# Allegro board BeagleBone AI -64_PCB_V1.02_211119.brd (continued)
## Routing (per net, layer and track width the routed paths; a pad name or vN(x,y) marks a point on that pad's centre or on a via; arc(x,y) is an arc through that point) (continued)
  TOP w0.165: U24.2 17.27,67.62 17.23,67.58 R316.2
N34747984: length 6.4
  TOP w0.165: U32.10 42.59,68.18 v1(42.55,68.23) ; v1(45.64,71.84) R357.1
  BOTTOM w0.165: v1(45.64,71.84) 44.3,70.51 42.98,70.51 42.55,70.08 v1(42.55,68.23)
N35300913: length 1.1
  TOP w0.165: R172.1 -33.78,42.85 -33.76,42.83 U14.5
N35690331: length 1.6
  TOP w0.165: J15.18 7.19,69.28 7.07,69.17 R300.2
N36080869: length 1.4
  BOTTOM w0.165: U2.8 29.38,55.98 29.67,55.69 R36.2
N37161279: length 1.5
  TOP w0.165: R306.2 48.05,5.53 47.99,5.58 U21.3
N37161524: length 1.9
  TOP w0.165: 49.75,5.03 49.71,5.08 v1(49.66,5.08) 48.79,5.95 U21.5
N37181608: length 15
  TOP w0.165: U34.1 42.13,11.98 42.48,12.32 49.05,12.32 49.59,11.79 49.59,10.59 50.88,9.3 R381.2 50.26,7.99 49.88,8.37 49.45,8.37 49.19,8.11 U21.9

## Copper pours and planes (outline as drawn; the poured copper is in the pictures)
2V5/3V3 on TOP: 10.42,25.55 12.15,25.55 12.22,25.48 12.22,24.33 12.38,24.18 13.54,24.18 13.75,23.98 13.75,23.19 13.49,22.94 11.64,22.94 10.39,24.18 10.39,25 10.45,25.05 10.98,25.05 11,25.07 11,25.33 10.98,25.35 10.42,25.35 10.37,25.4 10.37,25.5
GND on L3-SIGNAL (solid shape): -45.05,49.82 -45.05,48.72 -45.78,48 -45.84,48.02 -45.84,49.13 -45.12,49.85
GND on L3-SIGNAL (solid shape): -34.9,66.7 -34.96,66.66 -34.98,66.64 -42.63,58.99 -42.69,58.89 -42.72,58.78 -42.72,57.96 -44.02,56.66 -44.05,56.63 -44.14,56.66 -44.14,57.63 -35,66.78 -34.9,66.78
GND on L3-SIGNAL (solid shape): 22.31,68.05 22.28,67.98 21.77,67.98 21.45,68.31 21.33,68.39 21.19,68.41 21.09,68.41 21.03,68.56 21.05,68.59 21.12,68.69 21.14,68.81 21.14,68.86 21.5,68.86
GND on L3-SIGNAL (solid shape): 33.6,51.74 33.68,51.69 33.78,51.67 33.83,51.66 33.83,50.1 33.85,49.97 33.93,49.85 35.13,48.65 35.13,42.69 35.02,42.58 34.97,42.64 34.98,42.71 34.98,42.75 34.98,48.39 34.96,48.52 34.88,48.64 33.43,50.09 33.43,51.7 33.58,51.76
GND on L3-SIGNAL (solid shape): 18.57,45.55 18.63,45.56 18.7,45.53 18.79,45.52 18.87,45.53 19.06,45.33 19.06,45.05 19.08,44.99 19.11,44.93 19.51,44.53 19.51,44.46 19.46,44.41 19.44,44.41 19.38,44.4 19.33,44.36 19.28,44.32 19.19,44.33 19.16,44.33 19.1,44.31 19,44.4 19,44.62 18.99,44.69 18.95,44.74 18.57,45.13 18.57,45.43 18.56,45.46 18.55,45.49
GND on L3-SIGNAL (solid shape): -44.05,49.26 -44.02,49.24 -43.07,48.29 -43.07,48.19 -43.67,47.59 -43.74,47.49 -43.76,47.37 -43.76,46.81 -43.74,46.69 -43.67,46.59 -43.4,46.32 -43.53,46.19 -43.67,46.23 -43.68,46.26 -43.95,46.68 -44.42,46.84 -44.64,46.81 -44.84,46.71 -44.87,46.69 -45,46.76 -45,47.47 -44.23,48.25 -44.16,48.35 -44.14,48.47 -44.14,49.23
GND on L3-SIGNAL (solid shape): -42.93,54.55 -42.9,54.52 -42.63,54.25 -42.9,53.98 -42.97,53.88 -42.99,53.76 -42.99,53.3 -42.97,53.18 -42.9,53.09 -42.63,52.81 -42.9,52.54 -42.97,52.44 -42.99,52.33 -42.99,51.7 -42.97,51.58 -42.9,51.48 -42.63,51.21 -42.9,50.94 -42.97,50.84 -42.99,50.72 -42.99,50.1 -42.97,49.99 -42.9,49.89 -42.45,49.44 -42.45,49.32 -42.5,49.27 -42.54,49.2 -42.67,49.18 -43.19,49.71 -43.19,54.23 -43.14,54.29 -43.07,54.39 -43.05,54.51 -43.05,54.61 -42.97,54.61
GND on L3-SIGNAL (solid shape): -37.34,45.83 -37.29,45.81 -37.23,45.81 -37.15,45.82 -37.05,45.74 -37.05,43.66 -37.03,43.55 -36.96,43.45 -36.34,42.83 -36.24,42.76 -36.13,42.74 -35.74,42.74 -35.74,42.35 -35.72,42.24 -35.65,42.14 -34.98,41.47 -34.88,41.4 -34.77,41.38 -34.34,41.38 -34.26,41.3 -34.26,41.28 -34.24,41.16 -34.18,41.06 -34.16,41.04 -34.23,40.9 -34.62,40.9 -37.63,43.91 -37.26,44.28 -37.19,44.38 -37.17,44.5 -37.17,44.9 -37.19,45.02 -37.26,45.11 -37.57,45.43 -37.61,45.46 -37.62,45.58 -37.45,45.75 -37.42,45.78 -37.4,45.81
GND on L3-SIGNAL (solid shape): 13.15,62.28 13.15,61.93 13.11,61.89 12.98,61.91 12.97,61.93 12.85,62.04 12.69,62.09 12.45,61.99 12.35,61.76 12.41,61.57 12.56,61.45 12.57,61.44 12.62,61.4 12.56,61.34 11.87,61.34 11.79,61.46 11.8,61.48 11.81,61.54 11.82,61.6 11.72,61.83 11.49,61.93 11.44,61.92 11.35,62.02 11.36,62.13 11.35,62.19 11.43,62.29 12.81,62.29 12.91,62.3 13,62.34 13.02,62.35
GND on L3-SIGNAL (solid shape): 4.13,48.76 4.17,48.63 4.24,48.52 4.32,48.44 4.31,48.31 4.29,48.3 4.24,48.26 4.2,48.21 4.19,48.19 4.06,48.18 3.98,48.26 3.86,48.34 3.71,48.37 3.46,48.27 3.33,48.03 3.33,48.01 3.22,47.94 3.13,47.96 3.08,47.97 2.89,47.97 2.6,48.26 2.48,48.34 2.34,48.37 2.3,48.41 2.32,48.46 2.35,48.49 2.38,48.51 2.46,48.59 2.59,48.58 2.6,48.56 2.74,48.44 2.91,48.4 3.15,48.4 3.29,48.43 3.42,48.51 3.7,48.8 4.13,48.8
GND on L3-SIGNAL (solid shape): -13.4,47.27 -13.41,47.2 -13.31,46.96 -13.07,46.87 -13.01,46.87 -12.92,46.79 -12.92,46.69 -12.98,46.69 -13.04,46.71 -13.09,46.71 -13.33,46.62 -13.42,46.39 -13.42,46.36 -13.55,46.28 -13.57,46.3 -13.65,46.32 -13.73,46.33 -15.16,46.33 -15.16,46.38 -15.49,46.71 -15.82,46.38 -15.82,46.33 -15.94,46.33 -15.94,46.38 -15.97,46.52 -16.04,46.64 -16.46,47.05 -16.57,47.13 -16.71,47.15 -16.76,47.15 -16.77,47.24 -16.78,47.29 -16.7,47.4 -13.53,47.4
GND on L3-SIGNAL (solid shape): 7.65,57.9 7.76,57.86 7.87,57.85 8.85,57.85 8.9,57.69 8.85,57.64 8.59,57.39 8.55,57.34 8.52,57.28 8.46,57.25 8.43,57.25 8.4,57.25 8.16,57.16 8.06,56.92 8.07,56.88 8.08,56.82 8,56.72 5.72,56.72 5.64,56.79 5.64,56.81 5.54,57.03 5.31,57.12 5.08,57.02 4.98,56.79 4.98,56.72 4.84,56.72 4.84,56.79 4.76,57 4.57,57.11 4.54,57.12 4.49,57.26 4.56,57.33 5.1,57.33 5.25,57.24 5.42,57.21 5.61,57.25 5.77,57.36 6.31,57.9
GND on L3-SIGNAL (solid shape): 9.08,68.81 9.2,68.73 9.34,68.7 13.28,68.7 14.47,67.51 14.58,67.43 14.72,67.4 16.82,67.4 16.9,67.29 16.89,67.26 16.88,67.21 16.87,67.15 16.87,67.12 16.79,67.04 13.01,67.04 11.82,68.23 11.7,68.31 11.56,68.34 8.06,68.34 7.99,68.48 8.01,68.5 8.07,68.6 8.08,68.71 7.75,69.04 7.42,68.71 7.44,68.6 7.49,68.5 7.51,68.48 7.45,68.34 5.63,68.34 5.56,68.48 5.58,68.5 5.63,68.6 5.65,68.71 5.56,68.94 5.32,69.04 5.26,69.03 5.2,69.02 5.17,69 5.05,69.09 5.05,69.24 5.14,69.33 8.55,69.33
GND on L3-SIGNAL (solid shape): 20.17,45.55 20.23,45.56 20.3,45.53 20.39,45.52 20.47,45.53 20.71,45.29 20.76,45.25 20.82,45.24 21.03,45.24 21.29,44.98 21.29,44.31 21.26,44.29 21.13,44.17 21.08,44 21.12,43.83 21.24,43.71 21.24,43.04 20.47,42.26 20.39,42.27 20.29,42.26 20.21,42.22 20.15,42.23 20.14,42.28 20.14,42.31 20.14,42.34 20.14,42.8 20.4,43.06 20.44,43.11 20.45,43.18 20.45,43.69 20.44,43.75 20.4,43.81 20.3,43.91 20.3,44.08 20.56,44.34 20.6,44.4 20.61,44.46 20.61,44.7 20.6,44.76 20.56,44.82 20.45,44.93 20.4,44.97 20.33,44.98 20.27,44.98 20.17,45.09 20.17,45.43 20.16,45.46 20.15,45.49
GND on L3-SIGNAL (solid shape): -17.04,74.68 -16.69,74.32 -16.33,74.68 -16.33,74.88 -15.43,74.88 -15.36,74.77 -15.37,74.74 -15.38,74.69 -15.39,74.63 -15.06,74.3 -14.73,74.63 -14.73,74.69 -14.75,74.74 -14.76,74.77 -14.68,74.88 -11.97,74.88 -11.89,74.76 -11.9,74.74 -11.92,74.67 -11.93,74.6 -11.6,74.27 -11.27,74.6 -11.28,74.67 -11.3,74.74 -11.31,74.76 -11.23,74.88 -10.05,74.88 -10.02,74.82 -11.36,73.48 -19.63,73.48 -19.68,73.48 -19.74,73.63 -18.97,74.4 -18.9,74.52 -18.87,74.65 -18.87,74.7 -18.89,74.78 -18.81,74.88 -17.04,74.88
GND on L3-SIGNAL (solid shape): -40.18,45.52 -40.17,45.49 -40.06,45.29 -39.85,45.21 -39.81,45.21 -39.72,45.13 -39.72,44.82 -39.7,44.71 -39.63,44.61 -39.21,44.18 -39.11,44.12 -38.99,44.09 -38.6,44.09 -38.6,43.71 -38.58,43.59 -38.51,43.49 -35.09,40.07 -35.07,40.05 -35.02,40.02 -34.99,39.92 -35,39.9 -35.01,39.84 -35.02,39.78 -35.02,39.75 -35.05,39.7 -35.11,39.71 -35.13,39.74 -37.93,42.53 -38.03,42.6 -38.14,42.62 -38.53,42.62 -38.53,43.01 -38.55,43.13 -38.62,43.23 -39.17,43.78 -39.27,43.85 -39.39,43.87 -39.83,43.87 -39.83,44.2 -39.85,44.32 -39.92,44.42 -40.16,44.67 -40.16,44.79 -40.18,44.91 -40.25,45.01 -40.42,45.18 -40.52,45.24 -40.63,45.27 -40.76,45.27 -40.78,45.29 -40.78,45.43 -40.59,45.43 -40.47,45.46 -40.37,45.52 -40.32,45.57
GND on L3-SIGNAL (solid shape): -23.23,61.05 -23.22,61.05 -23.25,60.96 -27.09,60.96 -27.22,60.93 -27.34,60.85 -27.41,60.78 -27.45,60.81 -27.54,60.87 -27.65,60.89 -27.89,60.79 -27.98,60.56 -27.97,60.44 -27.91,60.35 -27.88,60.31 -28.69,59.5 -28.84,59.5 -28.98,59.47 -29.1,59.4 -29.13,59.36 -30.19,59.36 -30.19,59.41 -30.22,59.54 -30.3,59.64 -30.33,59.67 -30.27,59.82 -29.41,59.82 -29.27,59.85 -29.15,59.92 -28.62,60.46 -28.58,60.51 -28.54,60.58 -28.48,60.61 -28.44,60.6 -28.39,60.59 -28.16,60.69 -28.06,60.92 -28.06,60.97 -28.07,61.01 -28.04,61.04 -27.76,61.32 -27.65,61.33 -27.63,61.31 -27.53,61.25 -27.41,61.23 -27.18,61.32 -27.08,61.56 -27.09,61.6 -27.1,61.67 -27.02,61.77 -23.94,61.77
GND on L3-SIGNAL (solid shape): -34.31,61.99 -34.21,61.92 -34.1,61.9 -33.77,61.9 -33.69,61.8 -33.7,61.72 -33.6,61.49 -33.37,61.39 -33.33,61.39 -33.27,61.24 -33.38,61.13 -34.91,61.13 -35.02,61.1 -35.12,61.04 -37.17,58.99 -37.23,58.89 -37.26,58.78 -37.26,58.27 -37.38,58.19 -37.41,58.21 -37.48,58.24 -37.56,58.24 -37.61,58.24 -37.67,58.23 -37.69,58.22 -37.8,58.31 -37.8,58.39 -37.8,59.03 -37.72,59.11 -37.69,59.11 -37.46,59.21 -37.36,59.45 -37.37,59.48 -37.38,59.55 -37.28,59.65 -37.2,59.64 -36.8,59.64 -36.68,59.66 -36.58,59.73 -36.26,60.05 -36.19,60.15 -36.17,60.27 -36.17,60.66 -35.78,60.66 -35.67,60.68 -35.57,60.75 -35.24,61.07 -35.17,61.17 -35.15,61.29 -35.15,61.69 -35.15,61.73 -35.17,61.81 -35.09,61.91 -35.01,61.91 -34.89,61.94 -34.79,62 -34.62,62.18 -34.5,62.18
GND on L3-SIGNAL (solid shape): 25.4,45.56 25.42,45.51 25.42,45.49 25.42,45.29 25.44,45.23 25.47,45.17 25.93,44.71 25.93,44.59 25.67,44.32 25.58,44.33 25.25,44 25.58,43.67 25.67,43.68 25.71,43.63 25.71,42.96 25.46,42.7 25.43,42.65 25.41,42.59 25.41,42.35 25.42,42.32 25.42,42.29 25.41,42.24 25.35,42.23 25.27,42.26 25.19,42.27 25.1,42.26 24.96,42.41 24.96,42.77 24.95,42.84 24.91,42.89 24.65,43.15 24.65,43.62 24.71,43.68 24.79,43.67 25.12,44 24.79,44.33 24.71,44.32 24.66,44.36 24.6,44.4 24.54,44.41 24.52,44.41 24.47,44.47 24.47,44.55 24.94,45.03 24.98,45.08 24.99,45.14 24.99,45.42 25.1,45.53 25.19,45.52 25.27,45.53 25.35,45.56
GND on L3-SIGNAL (solid shape): 2.44,47.21 2.47,47.26 2.52,47.26 2.55,47.24 2.58,47.22 2.58,47.18 2.68,46.95 2.91,46.85 2.96,46.86 2.99,46.8 3.04,46.74 3.27,46.51 3.33,46.46 3.38,46.43 3.38,46.38 3.48,46.15 3.71,46.05 3.75,46.06 3.79,45.99 3.83,45.93 4.06,45.71 4.12,45.66 4.18,45.63 4.18,45.59 4.18,45.54 3.24,45.54 3.24,45.59 3.14,45.82 2.91,45.91 2.68,45.82 2.58,45.58 2.58,45.54 2.59,45.5 2.55,45.47 2.51,45.44 2.45,45.43 2.43,45.49 2.44,45.53 2.44,45.58 2.35,45.82 2.12,45.91 2.07,45.96 2.07,46 2.44,46.38 2.07,46.76 2.07,46.8 2.12,46.85 2.35,46.95 2.44,47.18
GND on L3-SIGNAL (solid shape): 39.43,49.96 38.15,48.68 38.07,48.56 38.04,48.43 38.04,46.71 38.07,46.58 38.15,46.46 38.43,46.18 38.43,46.11 38.38,46.01 38.36,45.9 38.36,45.85 38.38,45.79 38.39,45.77 38.3,45.66 38.19,45.66 38.11,45.77 38.12,45.8 38.13,45.85 38.13,45.9 37.57,46.13 37.8,45.57 37.85,45.57 37.94,45.46 37.93,45.44 37.91,45.38 37.91,45.33 37.91,45.3 37.92,45.24 37.84,45.14 37.8,45.14 37.57,44.57 38.13,44.81 38.13,44.84 38.12,44.9 38.2,45 38.27,45 38.35,44.9 38.34,44.83 38.33,44.78 38.35,44.67 38.41,44.57 38.41,44.5 37.55,43.65 37.47,43.53 37.44,43.4 37.44,41.55 35.27,39.38 35.21,39.41 35.21,39.76 37.22,41.76 37.29,41.88 37.32,42.01 37.32,48.09 39.25,50.02 39.29,50.07 39.33,50.14 39.34,50.17 39.43,50.17
GND on L3-SIGNAL (solid shape): 18.5,60 18.5,59.02 18.41,58.94 18.35,58.95 18.02,58.62 18.35,58.29 18.41,58.29 18.5,58.21 18.5,58.12 18.52,57.98 18.6,57.87 20.66,55.81 20.77,55.73 20.91,55.7 21.21,55.7 21.23,55.64 20.86,55.27 20.35,55.27 20.35,55.32 20.02,55.63 19.69,55.32 19.69,55.27 19.42,55.27 19.34,55.37 19.35,55.44 19.25,55.67 19.02,55.77 18.91,55.75 18.81,55.69 18.77,55.67 18.68,55.76 18.73,55.8 18.86,55.93 18.9,56.11 18.88,56.25 18.8,56.36 18.29,56.87 18.18,56.95 18.04,56.97 17.88,56.97 17.8,57.06 17.8,57.1 17.8,57.76 17.76,57.95 17.65,58.11 17.22,58.54 17.06,58.65 16.87,58.69 16.64,58.69 16.56,58.79 16.57,58.85 16.57,58.89 16.48,59.12 16.24,59.22 16.09,59.18 15.97,59.07 15.95,59.05 15.82,59.04 15.81,59.06 15.69,59.15 15.55,59.18 15.46,59.17 15.37,59.13 15.3,59.14 15.13,59.28 14.92,59.32 14.73,59.29 14.58,59.19 14.56,59.17 14.43,59.19 14.4,59.24 14.35,59.31 15.22,60.17 18.32,60.17
GND on L3-SIGNAL (solid shape): outline of 101 points within -42.08,49.5 -39.36,55.94
GND on L3-SIGNAL (solid shape): outline of 89 points within 21.39,59.35 26.14,61.78
GND on L3-SIGNAL (solid shape): outline of 84 points within -14.56,52.71 -11.7,55.99
GND on L3-SIGNAL (solid shape): outline of 100 points within 26.26,60.04 34.08,63.47
GND on L3-SIGNAL (solid shape): outline of 308 points within -14.59,65.19 15.8,71.55
GND on L3-SIGNAL (solid shape): outline of 371 points within 28.12,40.92 30.2,54.94
GND on L3-SIGNAL (solid shape): outline of 453 points within 46.42,49.57 50.82,67.05
GND on L3-SIGNAL (solid shape): outline of 477 points within 34.84,42.15 38.33,56.73
GND on L3-SIGNAL (solid shape): outline of 514 points within -21.53,60.76 -14.83,66.65
GND on L3-SIGNAL (solid shape): outline of 539 points within -0.32,45.49 2.36,54.49
GND on L3-SIGNAL (solid shape): outline of 563 points within 25.08,33.73 32.53,48.24
GND on L3-SIGNAL (solid shape): outline of 812 points within -16.64,69.31 21.8,75.44
GND on L3-SIGNAL (solid shape): outline of 860 points within 39.66,41.41 48.76,63.7
GND on L3-SIGNAL (solid shape): outline of 1018 points within -45.08,58.08 -19.56,75.44
GND on L3-SIGNAL (solid shape): outline of 993 points within -13.23,42.33 -2.01,48.65
GND on L3-SIGNAL (solid shape): outline of 1076 points within 27.08,59.8 48.5,69.76
GND on L3-SIGNAL (solid shape): outline of 1364 points within -36.34,42.01 -21.84,57.33
GND on L3-SIGNAL (solid shape): outline of 2159 points within -8.95,54.31 11.5,70.37
GND on L3-SIGNAL (solid shape): outline of 3044 points within 11.65,34.11 29.13,54.36
GND on L3-SIGNAL (solid shape): outline of 3469 points within 24.14,0.61 53.88,75.9
GND on L5-SIGNAL (solid shape): 47.15,69.21 47.15,65.12 46.95,64.92 46.89,64.98 46.9,65.01 46.92,65.07 46.92,65.13 46.92,69.2 47.06,69.27
GND on L5-SIGNAL (solid shape): 8.07,56.96 8.06,56.92 8.1,56.78 8.18,56.67 8.21,56.65 8.15,56.49 7.88,56.49 7.74,56.46 7.63,56.39 7.25,56.01 7.22,55.97 7.19,55.93 7.13,55.91 7.06,55.93 6.99,55.94 5.64,55.94 5.64,56.03 5.72,56.06 5.8,56.12 6.73,57.05 7.99,57.05
GND on L5-SIGNAL (solid shape): 28.66,60.9 28.66,60.86 28.58,60.81 28.5,60.85 28.41,60.86 28.15,60.86 27.82,61.19 27.71,61.27 27.57,61.29 26.64,61.29 26.5,61.27 26.39,61.19 25.78,60.58 25.64,60.63 25.63,60.66 25.53,60.85 25.32,60.94 25.3,60.94 25.23,61.02 25.23,61.22 25.35,61.34 25.53,61.52 28.03,61.52
GND on L5-SIGNAL (solid shape): 36.48,72.51 36.46,72.49 36.42,72.39 36.4,72.29 36.43,72.15 36.51,72.04 36.89,71.66 36.89,69.54 36.81,69.46 36.79,69.46 36.63,69.41 36.51,69.29 36.5,69.26 36.35,69.26 36.33,69.29 36.21,69.41 36.04,69.46 36,69.46 35.93,69.44 35.82,69.52 35.82,72.33 35.81,72.42 35.78,72.5 35.77,72.52 35.84,72.65 36.41,72.65
GND on L5-SIGNAL (solid shape): 31.83,62.61 31.84,62.55 31.72,62.47 31.69,62.48 31.62,62.5 31.55,62.51 31.38,62.46 31.26,62.34 31.25,62.31 31.1,62.31 31.08,62.34 30.96,62.46 30.79,62.51 30.56,62.41 30.46,62.18 30.47,62.12 30.49,62.05 30.5,62.03 30.42,61.91 29.43,61.91 28.72,62.63 28.74,62.69 31.75,62.69
GND on L5-SIGNAL (solid shape): 23.98,61.55 23.99,61.52 24.1,61.4 24.24,61.35 24.29,61.34 24.29,61.09 24.24,61.04 24.02,60.94 23.93,60.71 23.93,60.67 23.95,60.61 23.88,60.51 23.86,60.5 23.76,60.47 23.68,60.4 23.39,60.12 23.34,60.05 23.31,59.98 23.29,59.95 23.14,59.95 23.11,60.01 23.19,60.09 23.27,60.21 23.3,60.35 23.3,61.01 23.8,61.51 23.84,61.56
GND on L5-SIGNAL (solid shape): 30.02,53.61 30.14,53.49 30.14,50.35 30.07,50.32 29.32,51.08 29.32,52.34 29.46,52.41 29.48,52.39 29.57,52.34 29.68,52.33 30.01,52.66 29.68,52.99 29.57,52.97 29.48,52.92 29.46,52.9 29.32,52.97 29.32,53.19 29.39,53.31 29.42,53.44 29.42,53.52 29.5,53.57 29.58,53.53 29.68,53.51 29.79,53.54 29.9,53.6 29.91,53.61
GND on L5-SIGNAL (solid shape): 15.73,61.84 15.84,61.76 15.98,61.73 16.04,61.74 16.11,61.76 16.21,61.71 16.22,61.69 16.34,61.52 16.53,61.46 16.73,61.53 16.85,61.71 16.86,61.73 16.95,61.79 17.01,61.78 17.05,61.77 17.21,61.81 17.34,61.93 17.36,61.95 17.48,61.96 17.61,61.83 17.73,61.75 17.86,61.72 17.92,61.73 18.01,61.65 18.01,61.29 18.15,61.15 18.12,61.09 16.05,61.09 15.98,61.16 15.87,61.24 15.73,61.27 14.69,61.27 14.61,61.35 14.61,61.39 14.52,61.62 14.3,61.72 14.26,61.73 14.21,61.87 14.49,62.15 15.41,62.15
GND on L5-SIGNAL (solid shape): 47.49,71.88 47.49,70.77 47.45,70.76 47.15,70.44 47.45,70.11 47.49,70.1 47.49,69.91 47.39,69.83 47.32,69.85 47.28,69.85 47.17,69.84 47.08,69.79 47.06,69.77 46.92,69.84 46.92,70.6 47.05,70.72 47.1,70.89 47,71.12 46.77,71.22 46.66,71.2 46.56,71.15 46.49,71.15 45.94,71.7 45.95,71.73 45.96,71.79 45.97,71.84 45.94,71.98 45.85,72.09 45.84,72.11 45.84,72.24 45.87,72.25 46,72.4 46.04,72.59 46,72.77 45.89,72.91 45.89,73.03 45.95,73.1 46,73.17 46.01,73.2 46.15,73.22
GND on L5-SIGNAL (solid shape): 6.94,73.68 6.94,72.52 6.97,72.38 7.04,72.27 7.4,71.91 7.52,71.83 7.65,71.81 10.48,71.81 11.74,70.54 11.74,69.82 11.68,69.79 10.86,70.61 8.51,70.61 7.85,69.96 7.85,69.15 7.77,69.06 7.75,69.06 7.62,69.04 7.5,68.96 7.22,68.68 5.66,68.68 5.65,68.73 5.55,68.95 5.32,69.04 5.26,69.03 5.2,69.02 5.17,69 5.05,69.09 5.06,69.17 4.5,69.4 4.73,68.84 4.79,68.84 4.85,68.86 4.88,68.87 5,68.78 4.99,68.68 -0.99,68.68 -1.22,68.91 -1.33,68.99 -1.47,69.01 -3.62,69.01 -3.7,69.13 -3.69,69.16 -3.66,69.23 -3.65,69.3 -3.71,69.47 -3.85,69.6 -3.87,69.61 -3.89,69.74 -3.45,70.18 4.78,70.18 4.92,70.21 5.03,70.29 6.66,71.91 6.73,72.02 6.76,72.16 6.76,73.59 6.88,73.7
GND on L5-SIGNAL (solid shape): 44.95,63.22 45.04,63.18 45.14,63.17 45.18,63.17 45.25,63.05 45.24,63.02 45.21,62.95 45.2,62.87 45.3,62.64 45.53,62.54 45.58,62.54 45.63,62.49 45.63,62.48 45.57,62.43 45.52,62.44 45.29,62.34 45.19,62.1 45.21,62 45.26,61.9 45.28,61.88 45.21,61.74 43.75,61.74 43.56,61.7 43.39,61.59 41.58,59.78 41.47,59.61 41.43,59.42 41.54,59.11 41.82,58.94 41.84,58.85 41.82,58.83 41.27,58.28 40.99,58.28 40.91,58.38 40.93,58.47 41.01,58.55 41.05,58.55 41.29,58.64 41.38,58.88 41.3,59.1 41.08,59.21 41.06,59.21 40.99,59.31 41,59.37 41,59.41 41,61.96 41.38,62.33 44.1,62.33 44.24,62.36 44.35,62.44 44.77,62.86 44.85,62.97 44.88,63.11 44.88,63.18
GND on L5-SIGNAL (solid shape): -11.49,63.35 -11.48,63.29 -11.47,63.23 -11.47,62.75 -11.82,62.37 -11.47,61.99 -11.47,61.14 -11.51,61.14 -11.68,61.07 -11.79,60.92 -11.8,60.89 -11.93,60.86 -12.99,61.92 -12.96,62.05 -12.94,62.06 -12.84,62.12 -12.76,62.22 -12.75,62.24 -12.6,62.24 -12.58,62.22 -12.46,62.09 -12.29,62.04 -11.96,62.37 -12.29,62.7 -12.46,62.66 -12.58,62.53 -12.6,62.5 -12.75,62.5 -12.76,62.53 -12.87,62.65 -13.03,62.7 -13.07,62.75 -13.07,63.34 -13.03,63.38 -12.95,63.5 -12.92,63.64 -12.92,63.8 -12.79,63.87 -12.77,63.85 -12.68,63.81 -12.59,63.8 -12.26,64.13 -12.59,64.46 -12.68,64.45 -12.77,64.41 -12.79,64.39 -12.92,64.47 -12.92,64.99 -12.79,65.06 -12.77,65.05 -12.68,65.01 -12.59,65 -12.36,65.1 -12.26,65.33 -12.26,65.35 -12.18,65.43 -11.49,65.43
GND on L5-SIGNAL (solid shape): outline of 229 points within 23.2,57.66 33.35,60.58
GND on L5-SIGNAL (solid shape): outline of 298 points within 10.98,61.27 15.79,72.37
GND on L5-SIGNAL (solid shape): outline of 125 points within -16.5,57.34 -14.65,65.17
GND on L5-SIGNAL (solid shape): outline of 457 points within 37,63.3 45.4,72.65
GND on L5-SIGNAL (solid shape): outline of 521 points within -2.45,48.7 1.39,55.86
GND on L5-SIGNAL (solid shape): outline of 692 points within 34.15,42.34 51.01,57.13
GND on L5-SIGNAL (solid shape): outline of 942 points within 1.31,48.68 17.79,55.04
GND on L5-SIGNAL (solid shape): outline of 1313 points within -4.36,55.06 11.26,67.97
GND on L5-SIGNAL (solid shape): outline of 1743 points within 21.15,32.76 29.7,53.95
GND on L5-SIGNAL (solid shape): outline of 3284 points within -16.14,42.84 -1.88,67.61
GND on L5-SIGNAL (solid shape): outline of 3557 points within 25.37,0.61 53.88,75.9
GND on L5-SIGNAL (solid shape): outline of 5074 points within -45.84,28.26 22.47,75.44
GND on L12-SIGNAL (solid shape): -1.81,73.5 -2.05,73.25 -2.13,73.14 -2.16,73 -2.16,72.88 -3.28,72.88 -3.29,72.92 -3.33,73.01 -3.39,73.1 -3.7,73.41 -3.64,73.56 -1.83,73.56
GND on L12-SIGNAL (solid shape): 3.62,71.96 3.64,71.94 3.61,71.85 0.98,71.85 0.95,71.94 0.97,71.96 1.31,72.31 1.39,72.42 1.42,72.56 1.42,72.88 1.54,73 1.62,73.12 1.65,73.26 1.64,73.34 1.61,73.41 1.6,73.44 1.67,73.56 2.02,73.56
GND on L12-SIGNAL (solid shape): 23.76,61.05 23.82,61 23.89,60.97 23.91,60.96 23.96,60.86 23.95,60.84 23.93,60.77 23.93,60.71 23.93,60.67 23.95,60.61 23.88,60.51 23.86,60.5 23.65,60.38 23.57,60.15 23.6,60.02 23.68,59.9 24.27,59.31 24.3,59.29 24.33,59.26 24.3,59.17 24.05,59.17 22.88,60.34 22.88,61.29 22.95,61.37 22.97,61.37 23.11,61.41 23.22,61.51 23.3,61.52
GND on L12-SIGNAL (solid shape): -13.23,73.41 -13.54,73.1 -13.6,73.01 -13.63,72.92 -13.64,72.88 -21.28,72.88 -21.41,72.85 -21.53,72.77 -22.62,71.68 -23.19,71.68 -23.27,71.78 -23.26,71.84 -23.26,71.88 -23.26,71.93 -23.03,71.93 -22.9,71.96 -22.78,72.04 -22.37,72.44 -22.3,72.56 -22.27,72.7 -22.27,72.93 -22.14,73.05 -22.07,73.17 -22.04,73.31 -22.04,73.37 -22.06,73.42 -22.07,73.45 -21.99,73.56 -13.29,73.56
GND on L12-SIGNAL (solid shape): 8.08,64.57 8.08,64.52 8.17,64.29 8.41,64.19 8.62,64.27 8.73,64.46 8.74,64.49 8.88,64.53 9.32,64.09 9.29,63.95 9.27,63.95 9.18,63.9 9.11,63.83 9.1,63.81 8.95,63.82 8.94,63.85 8.82,63.98 8.64,64.04 8.41,63.94 8.31,63.7 8.33,63.6 8.38,63.5 8.4,63.48 8.33,63.34 7.49,63.34 7.35,63.31 7.23,63.24 6.62,63.24 6.57,63.39 6.63,63.44 7.84,64.66 8,64.66
GND on L12-SIGNAL (solid shape): 9.77,63.71 9.82,63.7 9.87,63.69 11.16,63.69 11.16,63.64 11.49,63.32 11.82,63.64 11.82,63.69 12.35,63.69 12.35,63.65 12.69,63.33 13.02,63.65 13.02,63.69 14.41,63.69 14.47,63.54 14.44,63.52 14.36,63.41 14.33,63.25 14.24,63.17 14.18,63.17 10.32,63.17 10.01,63.48 9.89,63.56 9.76,63.59 9.71,63.64 9.71,63.66
GND on L12-SIGNAL (solid shape): 20.86,64.05 25.23,64.05 25.29,63.91 25.27,63.88 25.22,63.79 25.2,63.68 25.53,63.35 25.86,63.68 25.85,63.79 25.79,63.88 25.77,63.91 25.84,64.05 26.33,64.05 26.72,63.67 26.72,62.7 26.74,62.56 26.82,62.44 27.28,61.99 27.28,60.05 27.2,59.97 27.18,59.97 27.07,59.94 26.98,59.88 26.94,59.84 26.74,60.04 26.69,60.09 26.62,60.12 26.22,60.52 26.22,61.13 26.19,61.26 26.12,61.38 25.65,61.84 25.53,61.92 25.4,61.95 25.09,61.95 24.96,61.92 24.84,61.84 24.74,61.74 24.61,61.77 24.6,61.8 24.47,61.95 24.29,62 24.16,61.98 24.06,61.91 24.04,61.89 23.93,61.89 23.8,62.02 23.69,62.09 23.55,62.12 23.4,62.09 23.27,61.99 23.26,61.97 23.15,61.96 23.13,61.97 23.04,62.01 22.94,62.03 22.88,62.02 22.82,62.01 22.79,61.99 20.78,64 20.84,64.05
GND on L12-SIGNAL (solid shape): outline of 148 points within 31.99,71.62 38.64,72.85
GND on L12-SIGNAL (solid shape): -30.57,65.4 -30.46,65.34 -30.34,65.32 -30.15,65.32 -30.13,65.26 -30.17,65.22 -30.24,65.11 -30.27,64.99 -30.27,64.97 -30.37,64.87 -30.65,64.87 -31.01,64.52 -30.65,64.16 -30.22,64.16 -30.09,64.19 -29.97,64.27 -29.67,64.57 -29.59,64.68 -29.56,64.8 -29.56,64.82 -29.09,65.29 -28.98,65.29 -28.92,65.24 -28.88,65.21 -28.85,65.19 -28.85,65.04 -28.88,65.03 -29,64.91 -29.05,64.74 -29.05,64.68 -29.03,64.63 -29.06,64.57 -29.09,64.54 -29.13,64.52 -29.89,63.75 -30.01,63.75 -30.02,63.77 -30.13,63.85 -30.27,63.88 -30.5,63.79 -30.6,63.55 -30.55,63.38 -30.43,63.26 -30.4,63.25 -30.4,63.1 -30.43,63.08 -30.55,62.96 -30.6,62.79 -30.6,62.75 -30.58,62.68 -30.66,62.57 -31.97,62.57 -32.04,62.58 -32.47,62.58 -32.55,62.61 -32.62,62.61 -33.01,62.61 -33.27,62.51 -33.37,62.26 -33.37,62.22 -33.36,62.17 -33.42,62.08 -33.44,62.07 -33.65,61.95 -33.73,61.72 -33.68,61.56 -33.57,61.43 -33.55,61.42 -33.54,61.29 -33.64,61.19 -34.76,61.19 -34.78,61.25 -30.63,65.4
GND on L12-SIGNAL (solid shape): 9.79,62.27 9.91,62.19 10.05,62.16 10.62,62.16 10.7,62.09 10.7,62.07 10.81,61.85 11.03,61.76 11.08,61.77 11.16,61.67 11.16,61.6 11.72,61.36 11.49,61.93 11.44,61.92 11.35,62.02 11.36,62.09 11.44,62.16 12.41,62.16 12.47,62.01 12.45,61.99 12.38,61.88 12.35,61.76 12.44,61.54 12.65,61.43 12.69,61.42 12.69,61.33 12.42,61.33 12.3,61.3 12.2,61.23 11.93,60.96 10.74,60.96 10.66,61.04 10.66,61.08 10.57,61.31 10.33,61.41 10.12,61.33 10.01,61.13 10,61.1 9.86,61.05 9.62,61.28 9.62,61.39 9.63,61.41 9.69,61.51 9.71,61.63 9.62,61.86 9.38,61.96 9.27,61.94 9.17,61.88 9.15,61.86 9.04,61.87 8.95,61.95 8.85,62.02 8.73,62.05 8.08,62.05 8,62.14 8.01,62.25 8.09,62.32 8.77,62.32 8.83,62.33 8.89,62.3 9.01,62.14 9.2,62.08 9.4,62.15 9.52,62.32 9.53,62.35 9.67,62.39
GND on L12-SIGNAL (solid shape): 2.84,60.99 2.95,60.92 3.07,60.9 3.33,60.9 3.38,60.84 3.38,60.79 3.71,60.46 4.04,60.79 4.04,60.9 4.19,60.9 4.18,60.79 4.51,60.46 4.84,60.79 4.84,60.83 4.94,60.91 4.99,60.9 5.03,60.9 5.28,60.9 5.4,60.92 5.5,60.99 5.65,61.13 5.76,61.13 5.77,61.1 5.8,61.03 5.85,60.96 5.97,60.84 6.08,60.77 6.2,60.75 6.29,60.75 6.29,60.67 6.26,60.64 5.89,60.27 5.85,60.3 5.75,60.36 5.64,60.38 5.41,60.28 5.31,60.05 5.31,60.03 5.23,59.95 4.04,59.95 4.04,60 3.71,60.32 3.38,60 3.38,59.95 3.24,59.95 3.24,60 2.91,60.32 2.58,60 2.58,59.95 1.92,59.95 1.85,60.09 1.87,60.11 1.94,60.24 1.99,60.38 1.99,60.39 2.07,60.46 2.11,60.46 2.34,60.55 2.44,60.79 2.44,60.83 2.43,60.89 2.43,61.13 2.7,61.13
